# KiCad board modulo_sensor-panel.kicad_pcb (continued)
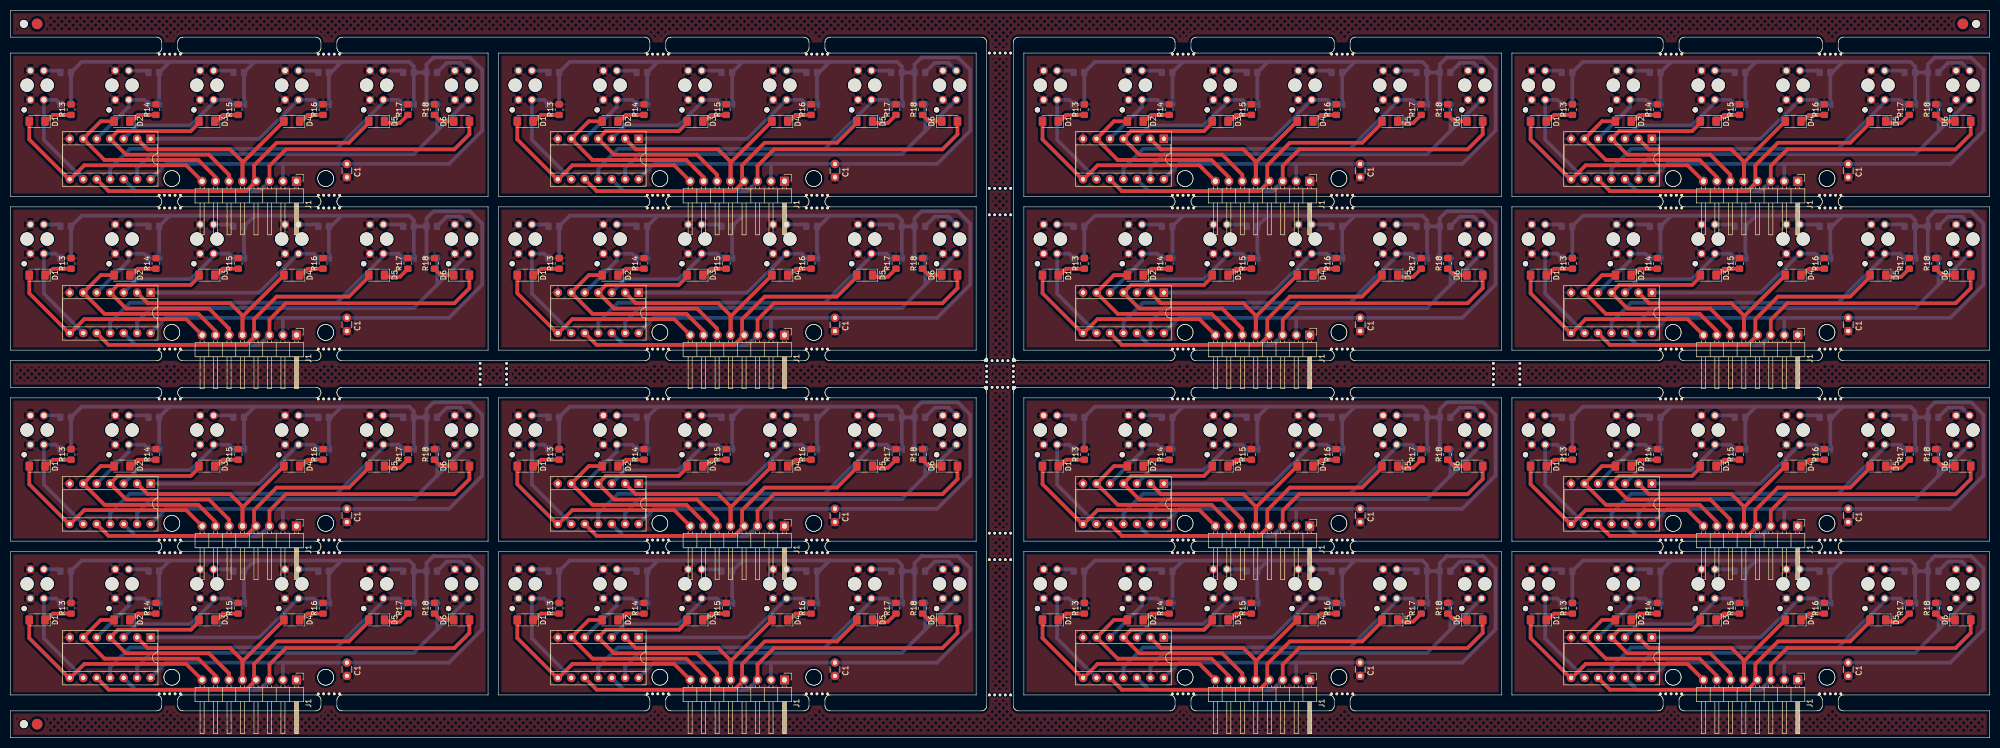
[diagram p0: board, top side]
## Nets (continued)
Board_11-/Led_Sensor3: D3#8.2 J1#13.6 U1#15.4
Board_11-/Led_Sensor4: D4#8.2 J1#13.5 U1#15.2
Board_11-/Led_Sensor5: D5#6.2 J1#13.4 U1#15.10
Board_11-/Led_Sensor6: D6#13.2 J1#13.3 U1#15.12
Board_11-/Sensor1: R2#2.1 Sensor1#10.COLL U1#15.9
Board_11-/Sensor2: R4#6.1 Sensor2#10.COLL U1#15.5
Board_11-/Sensor3: R6#13.1 Sensor3#3.COLL U1#15.3
Board_11-/Sensor4: R8.1 Sensor4#9.COLL U1#15.1
Board_11-/Sensor5: R10#10.1 Sensor5#14.COLL U1#15.11
Board_11-/Sensor6: R12#11.1 Sensor6#7.COLL U1#15.13
Board_11-GND: C1#3.2 J1#13.1 R13#11.2 R14#9.2 R15#12.2 R16#10.2 R17#9.2 R18#16.2 Sensor1#10.CATH Sensor1#10.E Sensor2#10.CATH Sensor2#10.E Sensor3#3.CATH Sensor3#3.E Sensor4#9.CATH Sensor4#9.E Sensor5#14.CATH Sensor5#14.E Sensor6#7.CATH Sensor6#7.E U1#15.7
Board_11-Net-(D1-K): D1#12.1 R13#11.1
Board_11-Net-(D2-K): D2#16.1 R14#9.1
Board_11-Net-(D3-K): D3#8.1 R15#12.1
Board_11-Net-(D4-K): D4#8.1 R16#10.1
Board_11-Net-(D5-K): D5#6.1 R17#9.1
Board_11-Net-(D6-K): D6#13.1 R18#16.1
Board_11-Net-(R1-Pad1): R1#16.1 Sensor1#10.A
Board_11-Net-(R3-Pad1): R3#14.1 Sensor2#10.A
Board_11-Net-(R5-Pad1): R5#16.1 Sensor3#3.A
Board_11-Net-(R7-Pad1): R7#13.1 Sensor4#9.A
Board_11-Net-(R9-Pad1): R9#2.1 Sensor5#14.A
Board_11-Net-(R11-Pad1): R11#14.1 Sensor6#7.A
Board_11-vcc: C1#3.1 J1#13.2 R1#16.2 R2#2.2 R3#14.2 R4#6.2 R5#16.2 R6#13.2 R7#13.2 R8.2 R9#2.2 R10#10.2 R11#14.2 R12#11.2 U1#15.14
Board_12-/Led_Sensor1: D1#4.2 J1#16.8 U1#13.8
Board_12-/Led_Sensor2: D2#4.2 J1#16.7 U1#13.6
Board_12-/Led_Sensor3: D3.2 J1#16.6 U1#13.4
Board_12-/Led_Sensor4: D4#12.2 J1#16.5 U1#13.2
Board_12-/Led_Sensor5: D5#13.2 J1#16.4 U1#13.10
Board_12-/Led_Sensor6: D6#14.2 J1#16.3 U1#13.12
Board_12-/Sensor1: R2#5.1 Sensor1#2.COLL U1#13.9
Board_12-/Sensor2: R4#5.1 Sensor2#4.COLL U1#13.5
Board_12-/Sensor3: R6#4.1 Sensor3#15.COLL U1#13.3
Board_12-/Sensor4: R8#7.1 Sensor4#13.COLL U1#13.1
Board_12-/Sensor5: R10#3.1 Sensor5#8.COLL U1#13.11
Board_12-/Sensor6: R12#13.1 Sensor6#4.COLL U1#13.13
Board_12-GND: C1#15.2 J1#16.1 R13#6.2 R14#6.2 R15#2.2 R16#14.2 R17.2 R18#5.2 Sensor1#2.CATH Sensor1#2.E Sensor2#4.CATH Sensor2#4.E Sensor3#15.CATH Sensor3#15.E Sensor4#13.CATH Sensor4#13.E Sensor5#8.CATH Sensor5#8.E Sensor6#4.CATH Sensor6#4.E U1#13.7
Board_12-Net-(D1-K): D1#4.1 R13#6.1
Board_12-Net-(D2-K): D2#4.1 R14#6.1
Board_12-Net-(D3-K): D3.1 R15#2.1
Board_12-Net-(D4-K): D4#12.1 R16#14.1
Board_12-Net-(D5-K): D5#13.1 R17.1
Board_12-Net-(D6-K): D6#14.1 R18#5.1
Board_12-Net-(R1-Pad1): R1#15.1 Sensor1#2.A
Board_12-Net-(R3-Pad1): R3#15.1 Sensor2#4.A
Board_12-Net-(R5-Pad1): R5.1 Sensor3#15.A
Board_12-Net-(R7-Pad1): R7#6.1 Sensor4#13.A
Board_12-Net-(R9-Pad1): R9#14.1 Sensor5#8.A
Board_12-Net-(R11-Pad1): R11#15.1 Sensor6#4.A
Board_12-vcc: C1#15.1 J1#16.2 R1#15.2 R2#5.2 R3#15.2 R4#5.2 R5.2 R6#4.2 R7#6.2 R8#7.2 R9#14.2 R10#3.2 R11#15.2 R12#13.2 U1#13.14
Board_13-/Led_Sensor1: D1#5.2 J1#4.8 U1#4.8
Board_13-/Led_Sensor2: D2#13.2 J1#4.7 U1#4.6
Board_13-/Led_Sensor3: D3#10.2 J1#4.6 U1#4.4
Board_13-/Led_Sensor4: D4#9.2 J1#4.5 U1#4.2
Board_13-/Led_Sensor5: D5#2.2 J1#4.4 U1#4.10
Board_13-/Led_Sensor6: D6#9.2 J1#4.3 U1#4.12
Board_13-/Sensor1: R2#6.1 Sensor1#14.COLL U1#4.9
Board_13-/Sensor2: R4#11.1 Sensor2#5.COLL U1#4.5
Board_13-/Sensor3: R6#16.1 Sensor3#4.COLL U1#4.3
Board_13-/Sensor4: R8#5.1 Sensor4#11.COLL U1#4.1
Board_13-/Sensor5: R10#5.1 Sensor5#9.COLL U1#4.11
Board_13-/Sensor6: R12#5.1 Sensor6#2.COLL U1#4.13
Board_13-GND: C1#16.2 J1#4.1 R13#7.2 R14#3.2 R15#3.2 R16#4.2 R17#6.2 R18#11.2 Sensor1#14.CATH Sensor1#14.E Sensor2#5.CATH Sensor2#5.E Sensor3#4.CATH Sensor3#4.E Sensor4#11.CATH Sensor4#11.E Sensor5#9.CATH Sensor5#9.E Sensor6#2.CATH Sensor6#2.E U1#4.7
Board_13-Net-(D1-K): D1#5.1 R13#7.1
Board_13-Net-(D2-K): D2#13.1 R14#3.1
Board_13-Net-(D3-K): D3#10.1 R15#3.1
Board_13-Net-(D4-K): D4#9.1 R16#4.1
Board_13-Net-(D5-K): D5#2.1 R17#6.1
Board_13-Net-(D6-K): D6#9.1 R18#11.1
Board_13-Net-(R1-Pad1): R1#4.1 Sensor1#14.A
Board_13-Net-(R3-Pad1): R3#6.1 Sensor2#5.A
Board_13-Net-(R5-Pad1): R5#4.1 Sensor3#4.A
Board_13-Net-(R7-Pad1): R7#16.1 Sensor4#11.A
Board_13-Net-(R9-Pad1): R9#6.1 Sensor5#9.A
Board_13-Net-(R11-Pad1): R11#6.1 Sensor6#2.A
Board_13-vcc: C1#16.1 J1#4.2 R1#4.2 R2#6.2 R3#6.2 R4#11.2 R5#4.2 R6#16.2 R7#16.2 R8#5.2 R9#6.2 R10#5.2 R11#6.2 R12#5.2 U1#4.14
Board_14-/Led_Sensor1: D1#13.2 J1#7.8 U1#7.8
Board_14-/Led_Sensor2: D2#9.2 J1#7.7 U1#7.6
Board_14-/Led_Sensor3: D3#2.2 J1#7.6 U1#7.4
Board_14-/Led_Sensor4: D4#4.2 J1#7.5 U1#7.2
Board_14-/Led_Sensor5: D5#4.2 J1#7.4 U1#7.10
Board_14-/Led_Sensor6: D6#10.2 J1#7.3 U1#7.12
Board_14-/Sensor1: R2#7.1 Sensor1#4.COLL U1#7.9
Board_14-/Sensor2: R4#13.1 Sensor2#3.COLL U1#7.5
Board_14-/Sensor3: R6#11.1 Sensor3#6.COLL U1#7.3
Board_14-/Sensor4: R8#2.1 Sensor4#5.COLL U1#7.1
Board_14-/Sensor5: R10.1 Sensor5#4.COLL U1#7.11
Board_14-/Sensor6: R12#8.1 Sensor6#14.COLL U1#7.13
Board_14-GND: C1#6.2 J1#7.1 R13#4.2 R14#14.2 R15#15.2 R16#2.2 R17#11.2 R18#7.2 Sensor1#4.CATH Sensor1#4.E Sensor2#3.CATH Sensor2#3.E Sensor3#6.CATH Sensor3#6.E Sensor4#5.CATH Sensor4#5.E Sensor5#4.CATH Sensor5#4.E Sensor6#14.CATH Sensor6#14.E U1#7.7
Board_14-Net-(D1-K): D1#13.1 R13#4.1
Board_14-Net-(D2-K): D2#9.1 R14#14.1
Board_14-Net-(D3-K): D3#2.1 R15#15.1
Board_14-Net-(D4-K): D4#4.1 R16#2.1
Board_14-Net-(D5-K): D5#4.1 R17#11.1
Board_14-Net-(D6-K): D6#10.1 R18#7.1
Board_14-Net-(R1-Pad1): R1#10.1 Sensor1#4.A
Board_14-Net-(R3-Pad1): R3#13.1 Sensor2#3.A
Board_14-Net-(R5-Pad1): R5#12.1 Sensor3#6.A
Board_14-Net-(R7-Pad1): R7#5.1 Sensor4#5.A
Board_14-Net-(R9-Pad1): R9#4.1 Sensor5#4.A
Board_14-Net-(R11-Pad1): R11#3.1 Sensor6#14.A
Board_14-vcc: C1#6.1 J1#7.2 R1#10.2 R2#7.2 R3#13.2 R4#13.2 R5#12.2 R6#11.2 R7#5.2 R8#2.2 R9#4.2 R10.2 R11#3.2 R12#8.2 U1#7.14
Board_15-/Led_Sensor1: D1#15.2 J1#11.8 U1#3.8
Board_15-/Led_Sensor2: D2.2 J1#11.7 U1#3.6
Board_15-/Led_Sensor3: D3#9.2 J1#11.6 U1#3.4
Board_15-/Led_Sensor4: D4#11.2 J1#11.5 U1#3.2
Board_15-/Led_Sensor5: D5#16.2 J1#11.4 U1#3.10
Board_15-/Led_Sensor6: D6#16.2 J1#11.3 U1#3.12
Board_15-/Sensor1: R2#12.1 Sensor1#13.COLL U1#3.9
Board_15-/Sensor2: R4#12.1 Sensor2#7.COLL U1#3.5
Board_15-/Sensor3: R6#8.1 Sensor3#8.COLL U1#3.3
Board_15-/Sensor4: R8#3.1 Sensor4.COLL U1#3.1
Board_15-/Sensor5: R10#16.1 Sensor5#15.COLL U1#3.11
Board_15-/Sensor6: R12#4.1 Sensor6#9.COLL U1#3.13
Board_15-GND: C1#5.2 J1#11.1 R13#10.2 R14#7.2 R15#6.2 R16#15.2 R17#15.2 R18#10.2 Sensor1#13.CATH Sensor1#13.E Sensor2#7.CATH Sensor2#7.E Sensor3#8.CATH Sensor3#8.E Sensor4.CATH Sensor4.E Sensor5#15.CATH Sensor5#15.E Sensor6#9.CATH Sensor6#9.E U1#3.7
Board_15-Net-(D1-K): D1#15.1 R13#10.1
Board_15-Net-(D2-K): D2.1 R14#7.1
Board_15-Net-(D3-K): D3#9.1 R15#6.1
Board_15-Net-(D4-K): D4#11.1 R16#15.1
Board_15-Net-(D5-K): D5#16.1 R17#15.1
Board_15-Net-(D6-K): D6#16.1 R18#10.1
Board_15-Net-(R1-Pad1): R1.1 Sensor1#13.A
Board_15-Net-(R3-Pad1): R3#11.1 Sensor2#7.A
Board_15-Net-(R5-Pad1): R5#8.1 Sensor3#8.A
Board_15-Net-(R7-Pad1): R7#9.1 Sensor4.A
Board_15-Net-(R9-Pad1): R9#7.1 Sensor5#15.A
Board_15-Net-(R11-Pad1): R11#13.1 Sensor6#9.A
Board_15-vcc: C1#5.1 J1#11.2 R1.2 R2#12.2 R3#11.2 R4#12.2 R5#8.2 R6#8.2 R7#9.2 R8#3.2 R9#7.2 R10#16.2 R11#13.2 R12#4.2 U1#3.14

## Routing (per net, layer and track width the routed paths; a pad name or vN(x,y) marks a point on that pad's centre or on a via; arc(x,y) is an arc through that point)
Board_0-/Led_Sensor1: length 41.1
  Top w0.7: J1#12.8 33.1,107.84 13.89,107.84 11.27,105.22 11.01,105.22 3.51,112.72 3.51,115.84
Board_0-/Led_Sensor2: length 35.9
  Top w0.7: D2#12.2 16.99,116.14 U1#10.6 17.69,108.84 35.39,108.84 38.63,105.6 J1#12.7
Board_0-/Led_Sensor3: length 44.4
  Top w0.7: J1#12.6 41.18,106.06 37.39,109.84 21.77,109.84 U1#10.4 20.22,114.29 33.96,114.29 35.51,115.84
Board_0-/Led_Sensor4: length 39.9
  Top w0.7: U1#10.2 25.85,110.84 41.39,110.84 43.71,108.52 J1#12.5 43.71,108.34 D4#5.2
Board_0-/Led_Sensor5: length 59.7
  Top w0.7: 67.51,115.84 63.76,112.09 50.14,112.09 45.89,107.84 45.89,104.95 46.13,104.71 44.39,102.98 18.47,102.98 U1#10.10
Board_0-/Led_Sensor6: length 73.9
  Top w0.7: J1#12.3 48.8,107.75 51.89,110.84 83.64,110.84 86.49,113.69 86.49,115.34
  Bottom w0.7: U1#10.12 23.6,102.93 46.88,102.93 J1#12.3
Board_0-/Sensor1: length 21.5
  Bottom w0.7: U1#10.9 6.27,112.64 Sensor1#6.COLL 8.54,120.19 R2#16.1
Board_0-/Sensor2: length 13.9
  Bottom w0.7: R4#3.1 25.15,120.19 Sensor2#14.COLL 22.27,118.88 U1#10.5
Board_0-/Sensor3: length 24.1
  Bottom w0.7: R6#12.1 41.15,120.19 Sensor3#16.COLL ; 38.38,119.85 38.38,119.83 33.89,115.34 23.81,115.34 U1#10.3
Board_0-/Sensor4: length 35
  Bottom w0.7: R8#8.1 57.15,120.19 Sensor4#3.COLL 46.92,112.84 U1#10.1
Board_0-/Sensor5: length 62.9
  Bottom w0.7: 70.27,119.85 70.27,119.72 61.49,110.94 22.49,110.94 18.77,107.22 U1#10.11 ; R10#12.1 73.15,120.19 Sensor5#11.COLL
Board_0-/Sensor6: length 74.9
  Bottom w0.7: 80.41,114.33 80.41,118.63 80.39,118.64 R12#2.1 ; 80.41,114.33 Sensor6#13.COLL ; 80.41,114.33 76.02,109.94 26.49,109.94 23.85,107.3 U1#10.13
Board_0-Net-(D1-K): length 5.5
  Top w0.7: R13#16.1 7.99,117.34 6.49,115.84
Board_0-Net-(D2-K): length 5.5
  Top w0.7: 22.49,115.84 23.99,117.34 R14#15.1
Board_0-Net-(D3-K): length 5
  Top w0.7: R15#8.1 39.99,117.34 38.49,115.84
Board_0-Net-(D4-K): length 5
  Top w0.7: R16#13.1 55.99,117.34 54.49,115.84
Board_0-Net-(D5-K): length 5
  Top w0.7: 70.49,115.84 73.39,115.84 R17#14.1
Board_0-Net-(D6-K): length 4.1
  Top w0.7: D6#3.1 81.09,116.14 R18#14.1
Board_0-Net-(R1-Pad1): length 3.3
  Bottom w0.7: Sensor1#6.A 9.04,125.69 R1#11.1
Board_0-Net-(R3-Pad1): length 3.9
  Bottom w0.7: 22.28,125.34 22.27,125.35 ; R3.1 25.65,125.69 Sensor2#14.A
Board_0-Net-(R5-Pad1): length 3.9
  Bottom w0.7: Sensor3#16.A 41.65,125.69 R5#9.1
Board_0-Net-(R7-Pad1): length 3.9
  Bottom w0.7: 54.28,125.34 54.27,125.35 ; Sensor4#3.A 57.65,125.69 R7.1
Board_0-Net-(R9-Pad1): length 3.9
  Bottom w0.7: 70.28,125.34 70.27,125.35 ; R9#11.1 73.65,125.69 Sensor5#11.A
Board_0-Net-(R11-Pad1): length 7.2
  Bottom w0.7: Sensor6#13.A 84.81,127.15 82.2,127.15 R11#7.1
Board_0-vcc: length 208.7
  Bottom w0.7: U1#10.14 29.26,108.09 C1#4.1 82.64,108.09 88.89,114.34 88.89,125.84 86.58,128.15 79.7,128.15 78.39,126.84 R11#7.2 ; R5#9.2 44,125.35 ; R5#9.2 46,127.34 ; R5#9.2 R6#12.2 ; 30,127.34 R3.2 R4#3.2 ; 30,127.34 46,127.34 ; 30,127.34 13.39,127.34 R1#11.2 R2#16.2 ; R12#2.2 R11#7.2 ; R11#7.2 R9#11.2 ; R9#11.2 76,126.48 75.14,127.34 62.39,127.34 ; R9#11.2 R10#12.2 ; 51.33,108.09 J1#12.2 ; 46,127.34 62.39,127.34 ; R8#8.2 R7.2 60.39,125.34 62.39,127.34
Board_1-/Led_Sensor1: length 41.1
  Top w0.7: J1#6.8 125.1,107.84 105.89,107.84 103.27,105.22 103.01,105.22 95.51,112.72 95.51,115.84
Board_1-/Led_Sensor2: length 35.9
  Top w0.7: D2#15.2 108.99,116.14 U1#16.6 109.69,108.84 127.39,108.84 130.63,105.6 J1#6.7
Board_1-/Led_Sensor3: length 44.4
  Top w0.7: J1#6.6 133.17,106.06 129.39,109.84 113.77,109.84 U1#16.4 112.22,114.29 125.96,114.29 127.51,115.84
Board_1-/Led_Sensor4: length 39.9
  Top w0.7: U1#16.2 117.85,110.84 133.39,110.84 135.72,108.52 J1#6.5 135.72,108.34 D4#6.2
Board_1-/Led_Sensor5: length 59.7
  Top w0.7: U1#16.10 110.47,102.98 136.39,102.98 138.13,104.71 137.89,104.95 137.89,107.84 142.14,112.09 155.76,112.09 159.51,115.84
Board_1-/Led_Sensor6: length 73.9
  Top w0.7: J1#6.3 140.79,107.75 143.89,110.84 175.64,110.84 178.49,113.69 178.49,115.34
  Bottom w0.7: J1#6.3 138.88,102.93 115.6,102.93 U1#16.12
Board_1-/Sensor1: length 21.5
  Bottom w0.7: R2#3.1 100.54,120.19 Sensor1#12.COLL 98.27,112.64 U1#16.9
Board_1-/Sensor2: length 13.9
  Bottom w0.7: U1#16.5 114.27,118.88 Sensor2#6.COLL 117.15,120.19 R4#9.1
Board_1-/Sensor3: length 24.1
  Bottom w0.7: U1#16.3 115.81,115.34 125.89,115.34 130.38,119.83 130.38,119.85 ; Sensor3#14.COLL 133.15,120.19 R6#9.1
Board_1-/Sensor4: length 35
  Bottom w0.7: U1#16.1 138.92,112.84 Sensor4#2.COLL 149.15,120.19 R8#4.1
Board_1-/Sensor5: length 62.9
  Bottom w0.7: U1#16.11 110.77,107.22 114.49,110.94 153.49,110.94 162.27,119.72 162.27,119.85 ; Sensor5#2.COLL 165.15,120.19 R10#8.1
Board_1-/Sensor6: length 74.9
  Bottom w0.7: U1#16.13 115.85,107.3 118.49,109.94 168.02,109.94 172.41,114.33 ; 172.41,114.33 Sensor6#6.COLL ; 172.41,114.33 172.41,118.63 172.39,118.64 R12#7.1
Board_1-Net-(D1-K): length 5.5
  Top w0.7: 98.49,115.84 99.99,117.34 R13#9.1
Board_1-Net-(D2-K): length 5.5
  Top w0.7: R14#11.1 115.99,117.34 114.49,115.84
Board_1-Net-(D3-K): length 5
  Top w0.7: 130.49,115.84 131.99,117.34 R15#13.1
Board_1-Net-(D4-K): length 5
  Top w0.7: R16#9.1 147.99,117.34 146.49,115.84
Board_1-Net-(D5-K): length 5
  Top w0.7: 162.49,115.84 165.39,115.84 R17#8.1
Board_1-Net-(D6-K): length 4.1
  Top w0.7: R18#2.1 173.09,116.14 D6#6.1
Board_1-Net-(R1-Pad1): length 3.3
  Bottom w0.7: R1#5.1 101.04,125.69 Sensor1#12.A
Board_1-Net-(R3-Pad1): length 3.9
  Bottom w0.7: Sensor2#6.A 117.65,125.69 R3#12.1 ; 114.28,125.34 114.27,125.35
Board_1-Net-(R5-Pad1): length 3.9
  Bottom w0.7: R5#13.1 133.65,125.69 Sensor3#14.A
Board_1-Net-(R7-Pad1): length 3.9
  Bottom w0.7: 146.28,125.34 146.27,125.35 ; Sensor4#2.A 149.65,125.69 R7#11.1
Board_1-Net-(R9-Pad1): length 3.9
  Bottom w0.7: Sensor5#2.A 165.65,125.69 R9#10.1 ; 162.28,125.34 162.27,125.35
Board_1-Net-(R11-Pad1): length 7.2
  Bottom w0.7: R11#12.1 174.2,127.15 176.81,127.15 Sensor6#6.A
Board_1-vcc: length 208.7
  Bottom w0.7: 143.34,108.09 J1#6.2 ; U1#16.14 121.26,108.09 C1#2.1 174.64,108.09 180.89,114.34 180.89,125.84 178.58,128.15 171.7,128.15 170.39,126.84 R11#12.2 ; R9#10.2 R11#12.2 ; R9#10.2 168,126.48 167.14,127.34 154.39,127.34 ; R9#10.2 R10#8.2 ; R11#12.2 R12#7.2 ; 138,127.34 154.39,127.34 ; 138,127.34 122,127.34 ; 138,127.34 R5#13.2 ; 154.39,127.34 152.39,125.34 R7#11.2 R8#4.2 ; 122,127.34 R3#12.2 R4#9.2 ; 122,127.34 105.39,127.34 R1#5.2 R2#3.2 ; R5#13.2 136,125.35 ; R5#13.2 R6#9.2
Board_2-/Led_Sensor1: length 41.1
  Top w0.7: J1#15.8 224.1,107.84 204.89,107.84 202.27,105.22 202.01,105.22 194.51,112.72 194.51,115.84
Board_2-/Led_Sensor2: length 35.9
  Top w0.7: J1#15.7 229.63,105.6 226.39,108.84 208.69,108.84 U1#11.6 207.99,116.14 D2#5.2
Board_2-/Led_Sensor3: length 44.4
  Top w0.7: 226.51,115.84 224.96,114.29 211.22,114.29 U1#11.4 212.77,109.84 228.39,109.84 232.17,106.06 J1#15.6
Board_2-/Led_Sensor4: length 39.9
  Top w0.7: D4#15.2 234.72,108.34 J1#15.5 234.72,108.52 232.39,110.84 216.85,110.84 U1#11.2
Board_2-/Led_Sensor5: length 59.7
  Top w0.7: U1#11.10 209.47,102.98 235.39,102.98 237.13,104.71 236.89,104.95 236.89,107.84 241.14,112.09 254.76,112.09 258.51,115.84
Board_2-/Led_Sensor6: length 73.9
  Top w0.7: 277.49,115.34 277.49,113.69 274.64,110.84 242.89,110.84 239.79,107.75 J1#15.3
  Bottom w0.7: U1#11.12 214.6,102.93 237.88,102.93 J1#15.3
Board_2-/Sensor1: length 21.5
  Bottom w0.7: R2.1 199.54,120.19 Sensor1#9.COLL 197.27,112.64 U1#11.9
Board_2-/Sensor2: length 13.9
  Bottom w0.7: U1#11.5 213.27,118.88 Sensor2#11.COLL 216.15,120.19 R4#10.1
Board_2-/Sensor3: length 24.1
  Bottom w0.7: U1#11.3 214.81,115.34 224.89,115.34 229.38,119.83 229.38,119.85 ; Sensor3#13.COLL 232.15,120.19 R6#10.1
Board_2-/Sensor4: length 35
  Bottom w0.7: U1#11.1 237.92,112.84 Sensor4#8.COLL 248.15,120.19 R8#16.1
Board_2-/Sensor5: length 62.9
  Bottom w0.7: U1#11.11 209.77,107.22 213.49,110.94 252.49,110.94 261.27,119.72 261.27,119.85 ; Sensor5#16.COLL 264.15,120.19 R10#7.1
Board_2-/Sensor6: length 74.9
  Bottom w0.7: 271.41,114.33 271.41,118.63 271.39,118.64 R12#10.1 ; 271.41,114.33 267.02,109.94 217.49,109.94 214.85,107.3 U1#11.13 ; 271.41,114.33 Sensor6#16.COLL
Board_2-Net-(D1-K): length 5.5
  Top w0.7: R13#3.1 198.99,117.34 197.49,115.84
Board_2-Net-(D2-K): length 5.5
  Top w0.7: 213.49,115.84 214.99,117.34 R14#5.1
Board_2-Net-(D3-K): length 5
  Top w0.7: R15.1 230.99,117.34 229.49,115.84
Board_2-Net-(D4-K): length 5
  Top w0.7: 245.49,115.84 246.99,117.34 R16.1
Board_2-Net-(D5-K): length 5
  Top w0.7: R17#3.1 264.39,115.84 261.49,115.84
Board_2-Net-(D6-K): length 4.1
  Top w0.7: R18#6.1 272.09,116.14 D6#12.1
Board_2-Net-(R1-Pad1): length 3.3
  Bottom w0.7: R1#2.1 200.04,125.69 Sensor1#9.A
Board_2-Net-(R3-Pad1): length 3.9
  Bottom w0.7: R3#4.1 216.65,125.69 Sensor2#11.A ; 213.28,125.34 213.27,125.35
Board_2-Net-(R5-Pad1): length 3.9
  Bottom w0.7: Sensor3#13.A 232.65,125.69 R5#11.1
Board_2-Net-(R7-Pad1): length 3.9
  Bottom w0.7: 245.28,125.34 245.27,125.35 ; R7#12.1 248.65,125.69 Sensor4#8.A
Board_2-Net-(R9-Pad1): length 3.9
  Bottom w0.7: 261.28,125.34 261.27,125.35 ; R9#8.1 264.65,125.69 Sensor5#16.A
Board_2-Net-(R11-Pad1): length 7.2
  Bottom w0.7: R11#10.1 273.2,127.15 275.81,127.15 Sensor6#16.A
Board_2-vcc: length 208.7
  Bottom w0.7: 237,127.34 221,127.34 ; 237,127.34 R5#11.2 ; 237,127.34 253.39,127.34 ; 221,127.34 R3#4.2 R4#10.2 ; 221,127.34 204.39,127.34 R1#2.2 R2.2 ; U1#11.14 220.26,108.09 C1#8.1 273.64,108.09 279.89,114.34 279.89,125.84 277.58,128.15 270.7,128.15 269.39,126.84 R11#10.2 ; R6#10.2 R5#11.2 ; R5#11.2 235,125.35 ; R9#8.2 267,126.48 266.14,127.34 253.39,127.34 ; R9#8.2 R10#7.2 ; R9#8.2 R11#10.2 ; 253.39,127.34 251.39,125.34 R7#12.2 R8#16.2 ; R11#10.2 R12#10.2 ; 242.34,108.09 J1#15.2
Board_3-/Led_Sensor1: length 41.1
  Top w0.7: 286.51,115.84 286.51,112.72 294.01,105.22 294.27,105.22 296.89,107.84 316.1,107.84 J1#14.8
Board_3-/Led_Sensor2: length 35.9
  Top w0.7: J1#14.7 321.63,105.6 318.39,108.84 300.69,108.84 U1#6.6 299.99,116.14 D2#11.2
Board_3-/Led_Sensor3: length 44.4
  Top w0.7: J1#14.6 324.17,106.06 320.39,109.84 304.77,109.84 U1#6.4 303.22,114.29 316.96,114.29 318.51,115.84
Board_3-/Led_Sensor4: length 39.9
  Top w0.7: D4.2 326.72,108.34 J1#14.5 326.72,108.52 324.39,110.84 308.85,110.84 U1#6.2
Board_3-/Led_Sensor5: length 59.7
  Top w0.7: U1#6.10 301.47,102.98 327.39,102.98 329.13,104.71 328.89,104.95 328.89,107.84 333.14,112.09 346.76,112.09 350.51,115.84
Board_3-/Led_Sensor6: length 73.9
  Top w0.7: J1#14.3 331.79,107.75 334.89,110.84 366.64,110.84 369.49,113.69 369.49,115.34
  Bottom w0.7: U1#6.12 306.6,102.93 329.88,102.93 J1#14.3
Board_3-/Sensor1: length 21.5
  Bottom w0.7: U1#6.9 289.27,112.64 Sensor1#11.COLL 291.54,120.19 R2#14.1
Board_3-/Sensor2: length 13.9
  Bottom w0.7: R4.1 308.15,120.19 Sensor2#13.COLL 305.27,118.88 U1#6.5
Board_3-/Sensor3: length 24.1
  Bottom w0.7: R6.1 324.15,120.19 Sensor3#11.COLL ; U1#6.3 306.81,115.34 316.89,115.34 321.38,119.83 321.38,119.85
Board_3-/Sensor4: length 35
  Bottom w0.7: U1#6.1 329.92,112.84 Sensor4#14.COLL 340.15,120.19 R8#10.1
Board_3-/Sensor5: length 62.9
  Bottom w0.7: Sensor5#10.COLL 356.15,120.19 R10#14.1 ; 353.27,119.85 353.27,119.72 344.49,110.94 305.49,110.94 301.77,107.22 U1#6.11
Board_3-/Sensor6: length 74.9
  Bottom w0.7: R12#16.1 363.39,118.64 363.41,118.63 363.41,114.33 ; 363.41,114.33 Sensor6#12.COLL ; 363.41,114.33 359.02,109.94 309.49,109.94 306.85,107.3 U1#6.13
Board_3-Net-(D1-K): length 5.5
  Top w0.7: 289.49,115.84 290.99,117.34 R13#2.1
Board_3-Net-(D2-K): length 5.5
  Top w0.7: R14#2.1 306.99,117.34 305.49,115.84
Board_3-Net-(D3-K): length 5
  Top w0.7: 321.49,115.84 322.99,117.34 R15#14.1
Board_3-Net-(D4-K): length 5
  Top w0.7: 337.49,115.84 338.99,117.34 R16#3.1
Board_3-Net-(D5-K): length 5
  Top w0.7: R17#13.1 356.39,115.84 353.49,115.84
Board_3-Net-(D6-K): length 4.1
  Top w0.7: R18#12.1 364.09,116.14 D6#8.1
Board_3-Net-(R1-Pad1): length 3.3
  Bottom w0.7: Sensor1#11.A 292.04,125.69 R1#7.1
Board_3-Net-(R3-Pad1): length 3.9
  Bottom w0.7: R3#16.1 308.65,125.69 Sensor2#13.A ; 305.28,125.34 305.27,125.35
Board_3-Net-(R5-Pad1): length 3.9
  Bottom w0.7: R5#10.1 324.65,125.69 Sensor3#11.A
Board_3-Net-(R7-Pad1): length 3.9
  Bottom w0.7: 337.28,125.34 337.27,125.35 ; R7#8.1 340.65,125.69 Sensor4#14.A
Board_3-Net-(R9-Pad1): length 3.9
  Bottom w0.7: Sensor5#10.A 356.65,125.69 R9#13.1 ; 353.28,125.34 353.27,125.35
Board_3-Net-(R11-Pad1): length 7.2
  Bottom w0.7: R11#11.1 365.2,127.15 367.81,127.15 Sensor6#12.A
Board_3-vcc: length 208.7
  Bottom w0.7: R5#10.2 327,125.35 ; R5#10.2 329,127.34 ; R5#10.2 R6.2 ; 334.34,108.09 J1#14.2 ; R2#14.2 R1#7.2 296.39,127.34 313,127.34 ; 329,127.34 345.39,127.34 ; 329,127.34 313,127.34 ; 345.39,127.34 343.39,125.34 R7#8.2 R8#10.2 ; 345.39,127.34 358.14,127.34 359,126.48 R9#13.2 ; 313,127.34 R3#16.2 R4.2 ; R9#13.2 R11#11.2 ; R9#13.2 R10#14.2 ; R11#11.2 361.39,126.84 362.7,128.15 369.58,128.15 371.89,125.84 371.89,114.34 365.64,108.09 C1#12.1 312.26,108.09 U1#6.14 ; R11#11.2 R12#16.2
Board_4-/Led_Sensor1: length 41.1
  Top w0.7: J1#2.8 33.1,78.84 13.89,78.84 11.27,76.22 11.01,76.22 3.51,83.72 3.51,86.84
Board_4-/Led_Sensor2: length 35.9
  Top w0.7: J1#2.7 38.63,76.6 35.39,79.84 17.69,79.84 U1#14.6 16.99,87.14 D2#10.2
Board_4-/Led_Sensor3: length 44.4
  Top w0.7: 35.51,86.84 33.96,85.29 20.22,85.29 U1#14.4 21.77,80.84 37.39,80.84 41.18,77.06 J1#2.6
Board_4-/Led_Sensor4: length 39.9
  Top w0.7: D4#14.2 43.71,79.34 J1#2.5 43.71,79.52 41.39,81.84 25.85,81.84 U1#14.2
Board_4-/Led_Sensor5: length 59.7
  Top w0.7: U1#14.10 18.47,73.98 44.39,73.98 46.13,75.71 45.89,75.95 45.89,78.84 50.14,83.09 63.76,83.09 67.51,86.84
Board_4-/Led_Sensor6: length 73.9
  Top w0.7: J1#2.3 48.8,78.75 51.89,81.84 83.64,81.84 86.49,84.69 86.49,86.34
  Bottom w0.7: J1#2.3 46.88,73.93 23.6,73.93 U1#14.12
Board_4-/Sensor1: length 21.5
  Bottom w0.7: R2#15.1 8.54,91.19 Sensor1#7.COLL 6.27,83.64 U1#14.9
Board_4-/Sensor2: length 13.9
  Bottom w0.7: U1#14.5 22.27,89.88 Sensor2#15.COLL 25.15,91.19 R4#8.1
Board_4-/Sensor3: length 24.1
  Bottom w0.7: R6#5.1 41.15,91.19 Sensor3#12.COLL ; 38.38,90.85 38.38,90.83 33.89,86.34 23.81,86.34 U1#14.3
Board_4-/Sensor4: length 35
  Bottom w0.7: R8#13.1 57.15,91.19 Sensor4#4.COLL 46.92,83.84 U1#14.1
Board_4-/Sensor5: length 62.9
  Bottom w0.7: Sensor5#7.COLL 73.15,91.19 R10#6.1 ; U1#14.11 18.77,78.22 22.49,81.94 61.49,81.94 70.27,90.72 70.27,90.85
Board_4-/Sensor6: length 74.9
  Bottom w0.7: 80.41,85.33 76.02,80.94 26.49,80.94 23.85,78.3 U1#14.13 ; 80.41,85.33 80.41,89.63 80.39,89.64 R12#14.1 ; 80.41,85.33 Sensor6#15.COLL
Board_4-Net-(D1-K): length 5.5
  Top w0.7: 6.49,86.84 7.99,88.34 R13#8.1
Board_4-Net-(D2-K): length 5.5
  Top w0.7: 22.49,86.84 23.99,88.34 R14#13.1
Board_4-Net-(D3-K): length 5
  Top w0.7: 38.49,86.84 39.99,88.34 R15#10.1
Board_4-Net-(D4-K): length 5
  Top w0.7: R16#6.1 55.99,88.34 54.49,86.84
Board_4-Net-(D5-K): length 5
  Top w0.7: R17#5.1 73.39,86.84 70.49,86.84
Board_4-Net-(D6-K): length 4.1
  Top w0.7: R18#13.1 81.09,87.14 D6#5.1
Board_4-Net-(R1-Pad1): length 3.3
  Bottom w0.7: Sensor1#7.A 9.04,96.69 R1#9.1
Board_4-Net-(R3-Pad1): length 3.9
  Bottom w0.7: 22.28,96.34 22.27,96.35 ; Sensor2#15.A 25.65,96.69 R3#7.1
Board_4-Net-(R5-Pad1): length 3.9
  Bottom w0.7: Sensor3#12.A 41.65,96.69 R5#2.1
Board_4-Net-(R7-Pad1): length 3.9
  Bottom w0.7: R7#3.1 57.65,96.69 Sensor4#4.A ; 54.28,96.34 54.27,96.35
Board_4-Net-(R9-Pad1): length 3.9
  Bottom w0.7: 70.28,96.34 70.27,96.35 ; R9#12.1 73.65,96.69 Sensor5#7.A
Board_4-Net-(R11-Pad1): length 7.2
  Bottom w0.7: R11#8.1 82.2,98.15 84.81,98.15 Sensor6#15.A
Board_4-vcc: length 208.7
  Bottom w0.7: R2#15.2 R1#9.2 13.39,98.34 30,98.34 ; R9#12.2 76,97.48 75.14,98.34 62.39,98.34 ; R9#12.2 R11#8.2 ; R9#12.2 R10#6.2 ; R11#8.2 R12#14.2 ; R11#8.2 78.39,97.84 79.7,99.15 86.58,99.15 88.89,96.84 88.89,85.34 82.64,79.09 C1#13.1 29.26,79.09 U1#14.14 ; 46,98.34 30,98.34 ; 46,98.34 62.39,98.34 ; 46,98.34 R5#2.2 ; 30,98.34 R3#7.2 R4#8.2 ; 62.39,98.34 60.39,96.34 R7#3.2 R8#13.2 ; R6#5.2 R5#2.2 ; R5#2.2 44,96.35 ; 51.33,79.09 J1#2.2
Board_5-/Led_Sensor1: length 41.1
  Top w0.7: 95.51,86.84 95.51,83.72 103.01,76.22 103.27,76.22 105.89,78.84 125.1,78.84 J1#10.8
Board_5-/Led_Sensor2: length 35.9
  Top w0.7: D2#3.2 108.99,87.14 U1#5.6 109.69,79.84 127.39,79.84 130.63,76.6 J1#10.7
Board_5-/Led_Sensor3: length 44.4
  Top w0.7: 127.51,86.84 125.96,85.29 112.22,85.29 U1#5.4 113.77,80.84 129.39,80.84 133.17,77.06 J1#10.6
Board_5-/Led_Sensor4: length 39.9
  Top w0.7: D4#7.2 135.72,79.34 J1#10.5 135.72,79.52 133.39,81.84 117.85,81.84 U1#5.2
Board_5-/Led_Sensor5: length 59.7
  Top w0.7: U1#5.10 110.47,73.98 136.39,73.98 138.13,75.71 137.89,75.95 137.89,78.84 142.14,83.09 155.76,83.09 159.51,86.84
Board_5-/Led_Sensor6: length 73.9
  Top w0.7: 178.49,86.34 178.49,84.69 175.64,81.84 143.89,81.84 140.79,78.75 J1#10.3
  Bottom w0.7: J1#10.3 138.88,73.93 115.6,73.93 U1#5.12
Board_5-/Sensor1: length 21.5
  Bottom w0.7: U1#5.9 98.27,83.64 Sensor1#8.COLL 100.54,91.19 R2#9.1
Board_5-/Sensor2: length 13.9
  Bottom w0.7: U1#5.5 114.27,89.88 Sensor2#16.COLL 117.15,91.19 R4#7.1
Board_5-/Sensor3: length 24.1
  Bottom w0.7: U1#5.3 115.81,86.34 125.89,86.34 130.38,90.83 130.38,90.85 ; R6#2.1 133.15,91.19 Sensor3#5.COLL
Board_5-/Sensor4: length 35
  Bottom w0.7: U1#5.1 138.92,83.84 Sensor4#15.COLL 149.15,91.19 R8#14.1
Board_5-/Sensor5: length 62.9
  Bottom w0.7: R10#11.1 165.15,91.19 Sensor5#6.COLL ; 162.27,90.85 162.27,90.72 153.49,81.94 114.49,81.94 110.77,78.22 U1#5.11
Board_5-/Sensor6: length 74.9
  Bottom w0.7: U1#5.13 115.85,78.3 118.49,80.94 168.02,80.94 172.41,85.33 ; R12#9.1 172.39,89.64 172.41,89.63 172.41,85.33 ; 172.41,85.33 Sensor6#5.COLL
Board_5-Net-(D1-K): length 5.5
  Top w0.7: 98.49,86.84 99.99,88.34 R13#5.1
